# Altium PCB PCB-Relay-Board-V1.PcbDoc (part 1 of 5) (continued)
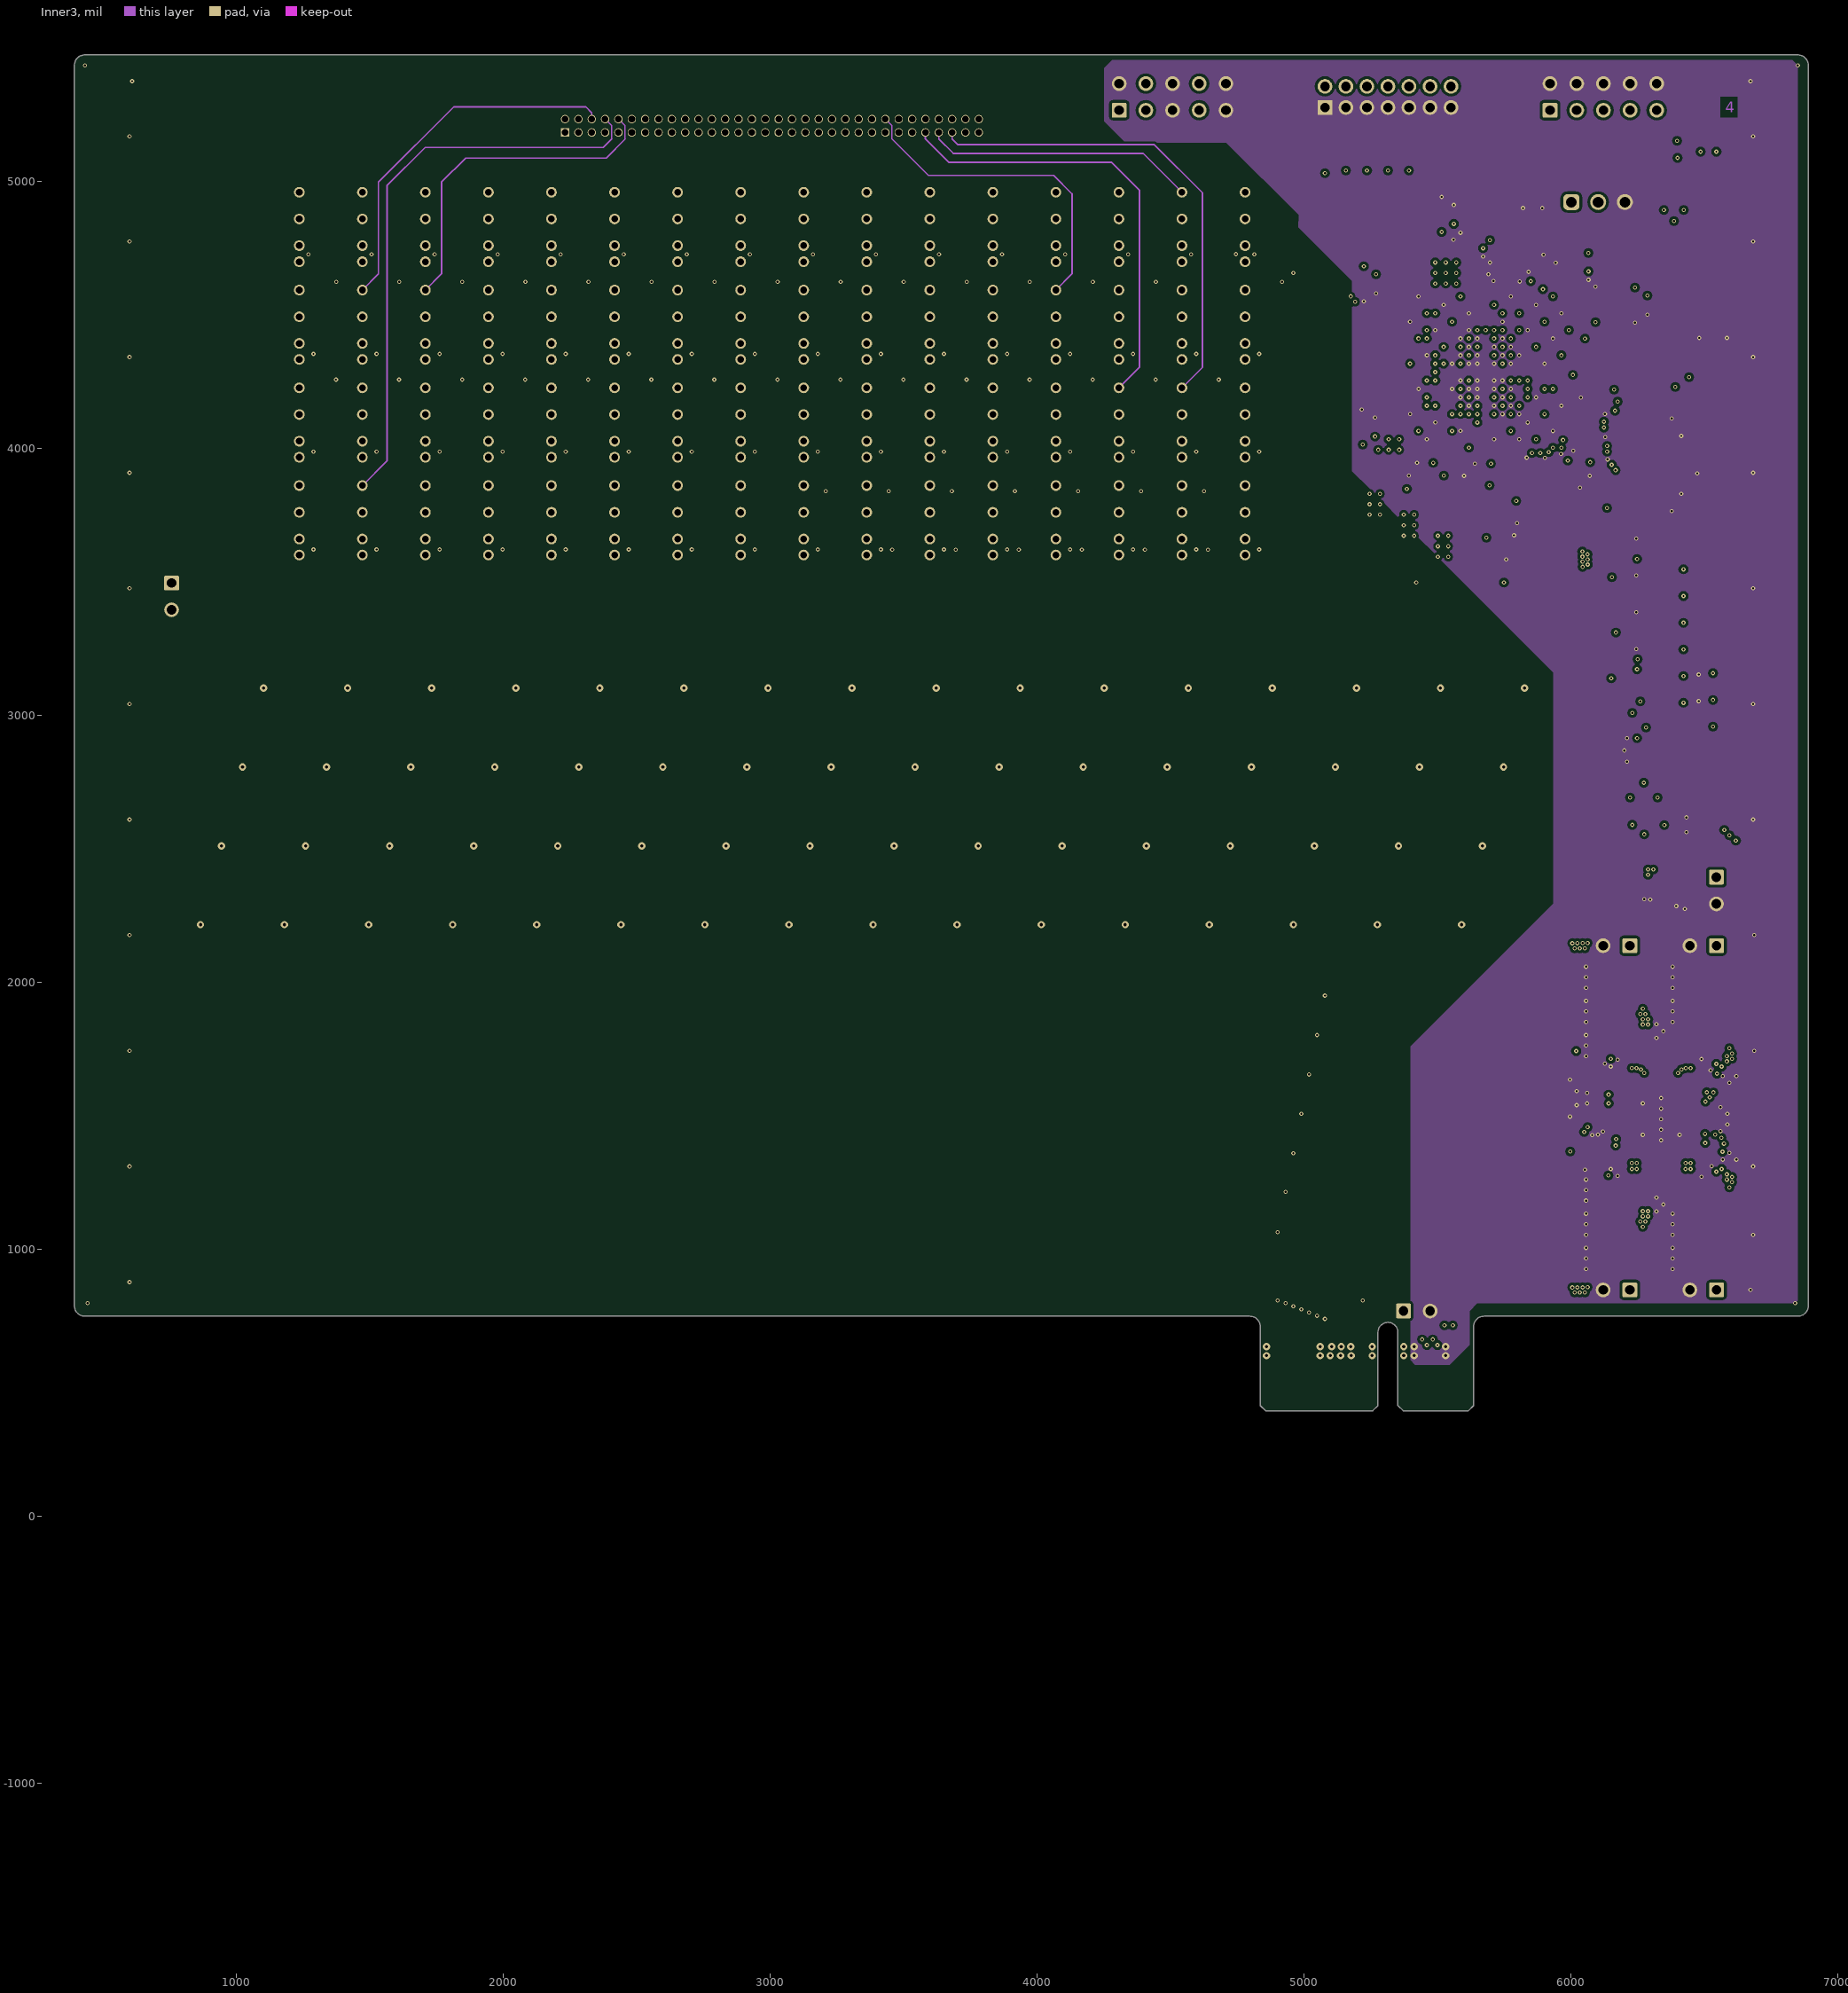
[diagram p4: Inner3]
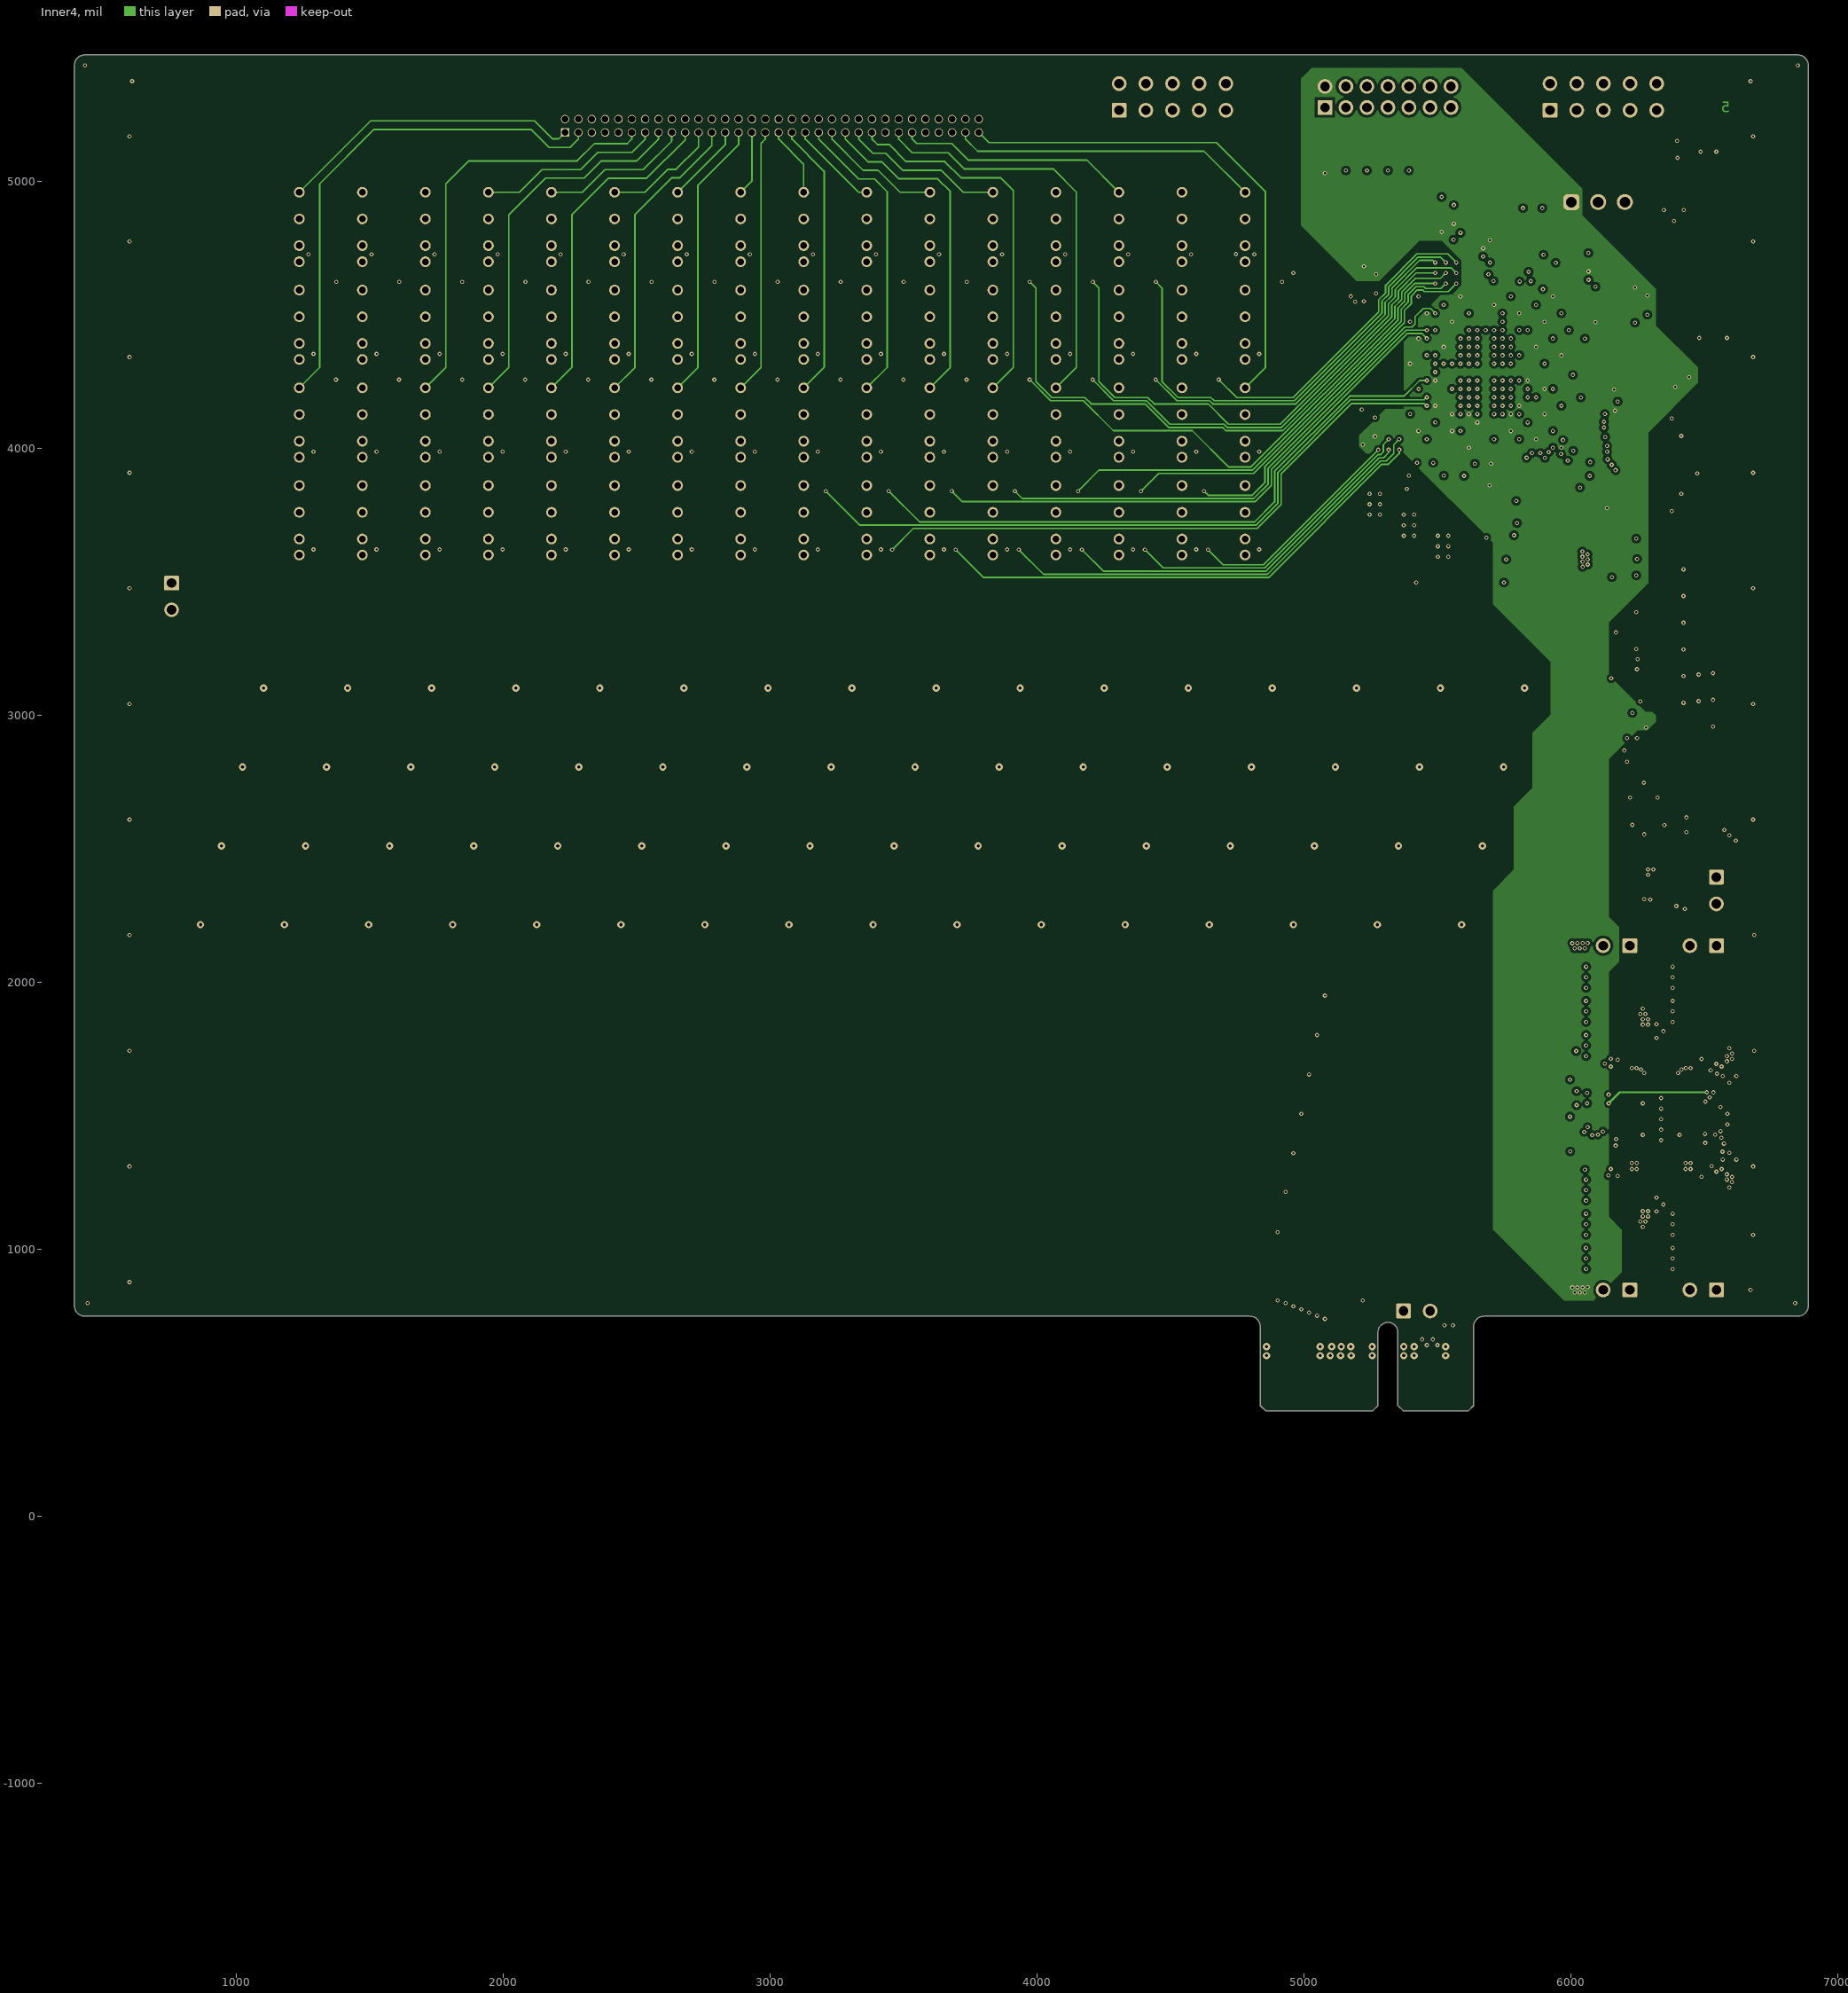
[diagram p5: Inner4]
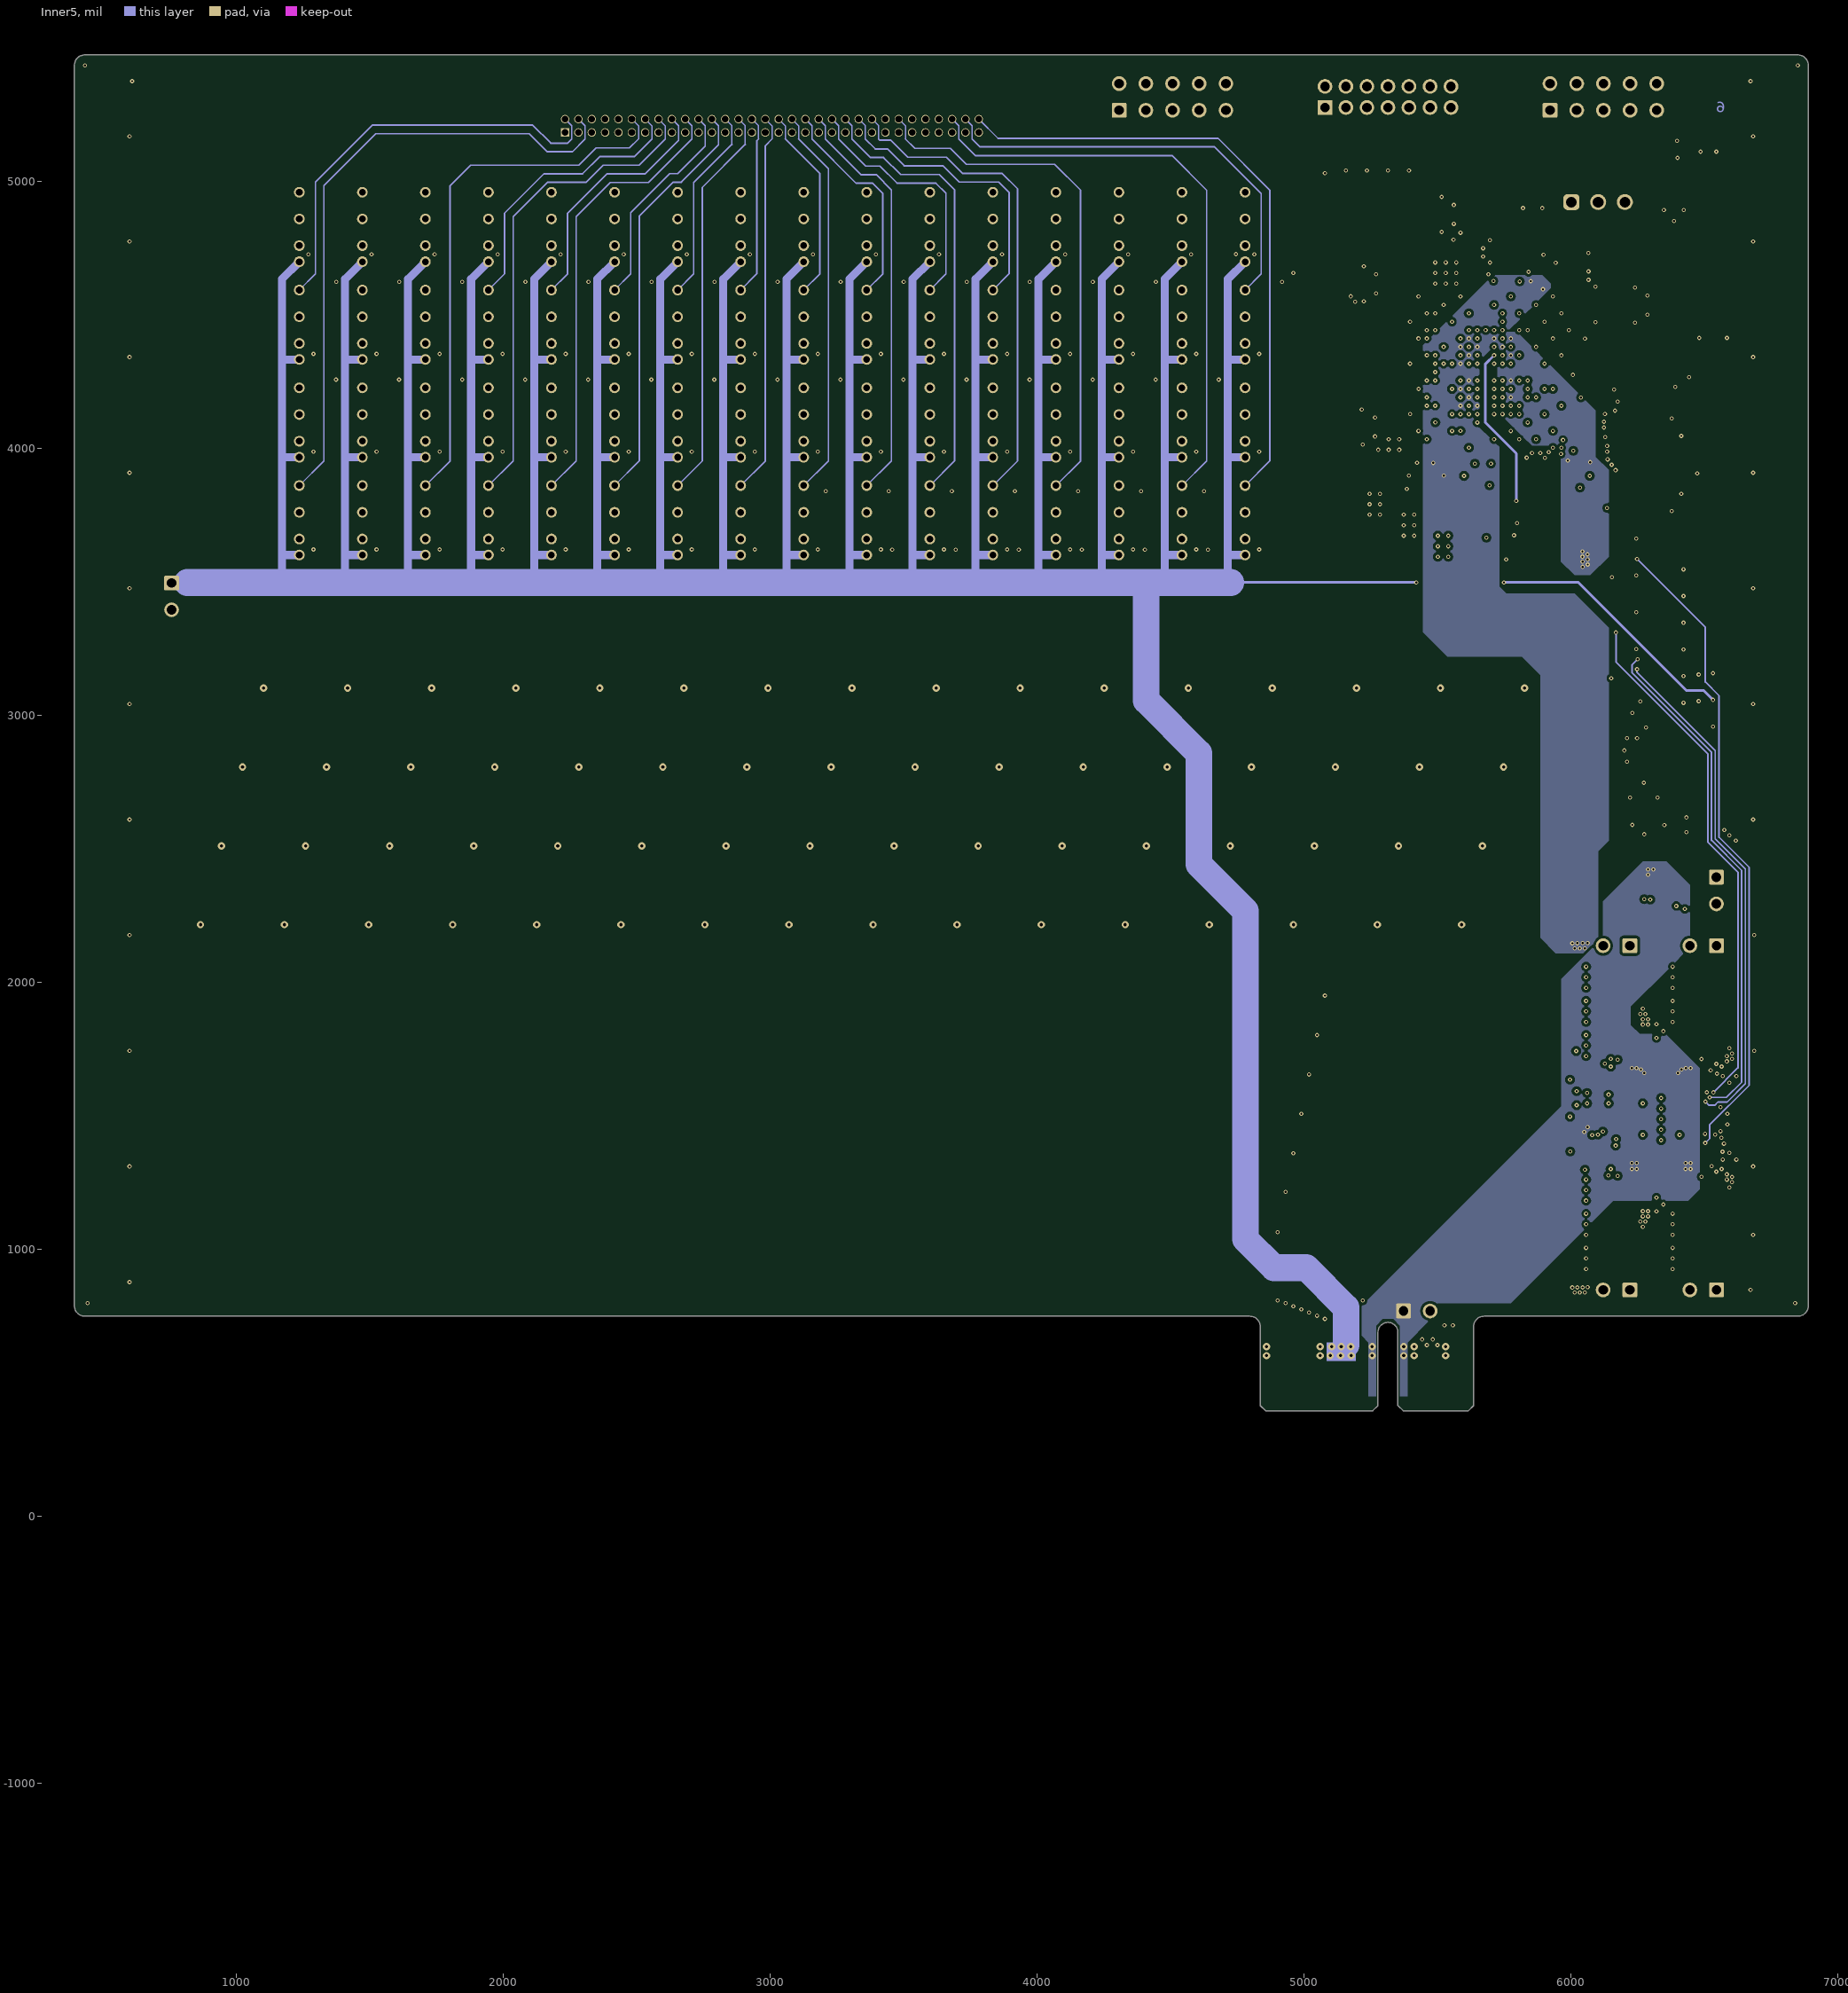
[diagram p6: Inner5]